# Altium PCB robot.PcbDoc (part 12 of 13)
Units mm, origin at the board's own origin, x right, y up, seen from the top; angles counter-clockwise.
Board outline 97 x 68 mm, 2 copper layers (Top Layer, Bottom Layer); 163 components, 156 nets, 23258 pads, 60 vias.
Unrouted connection lines stored in the file: 298.
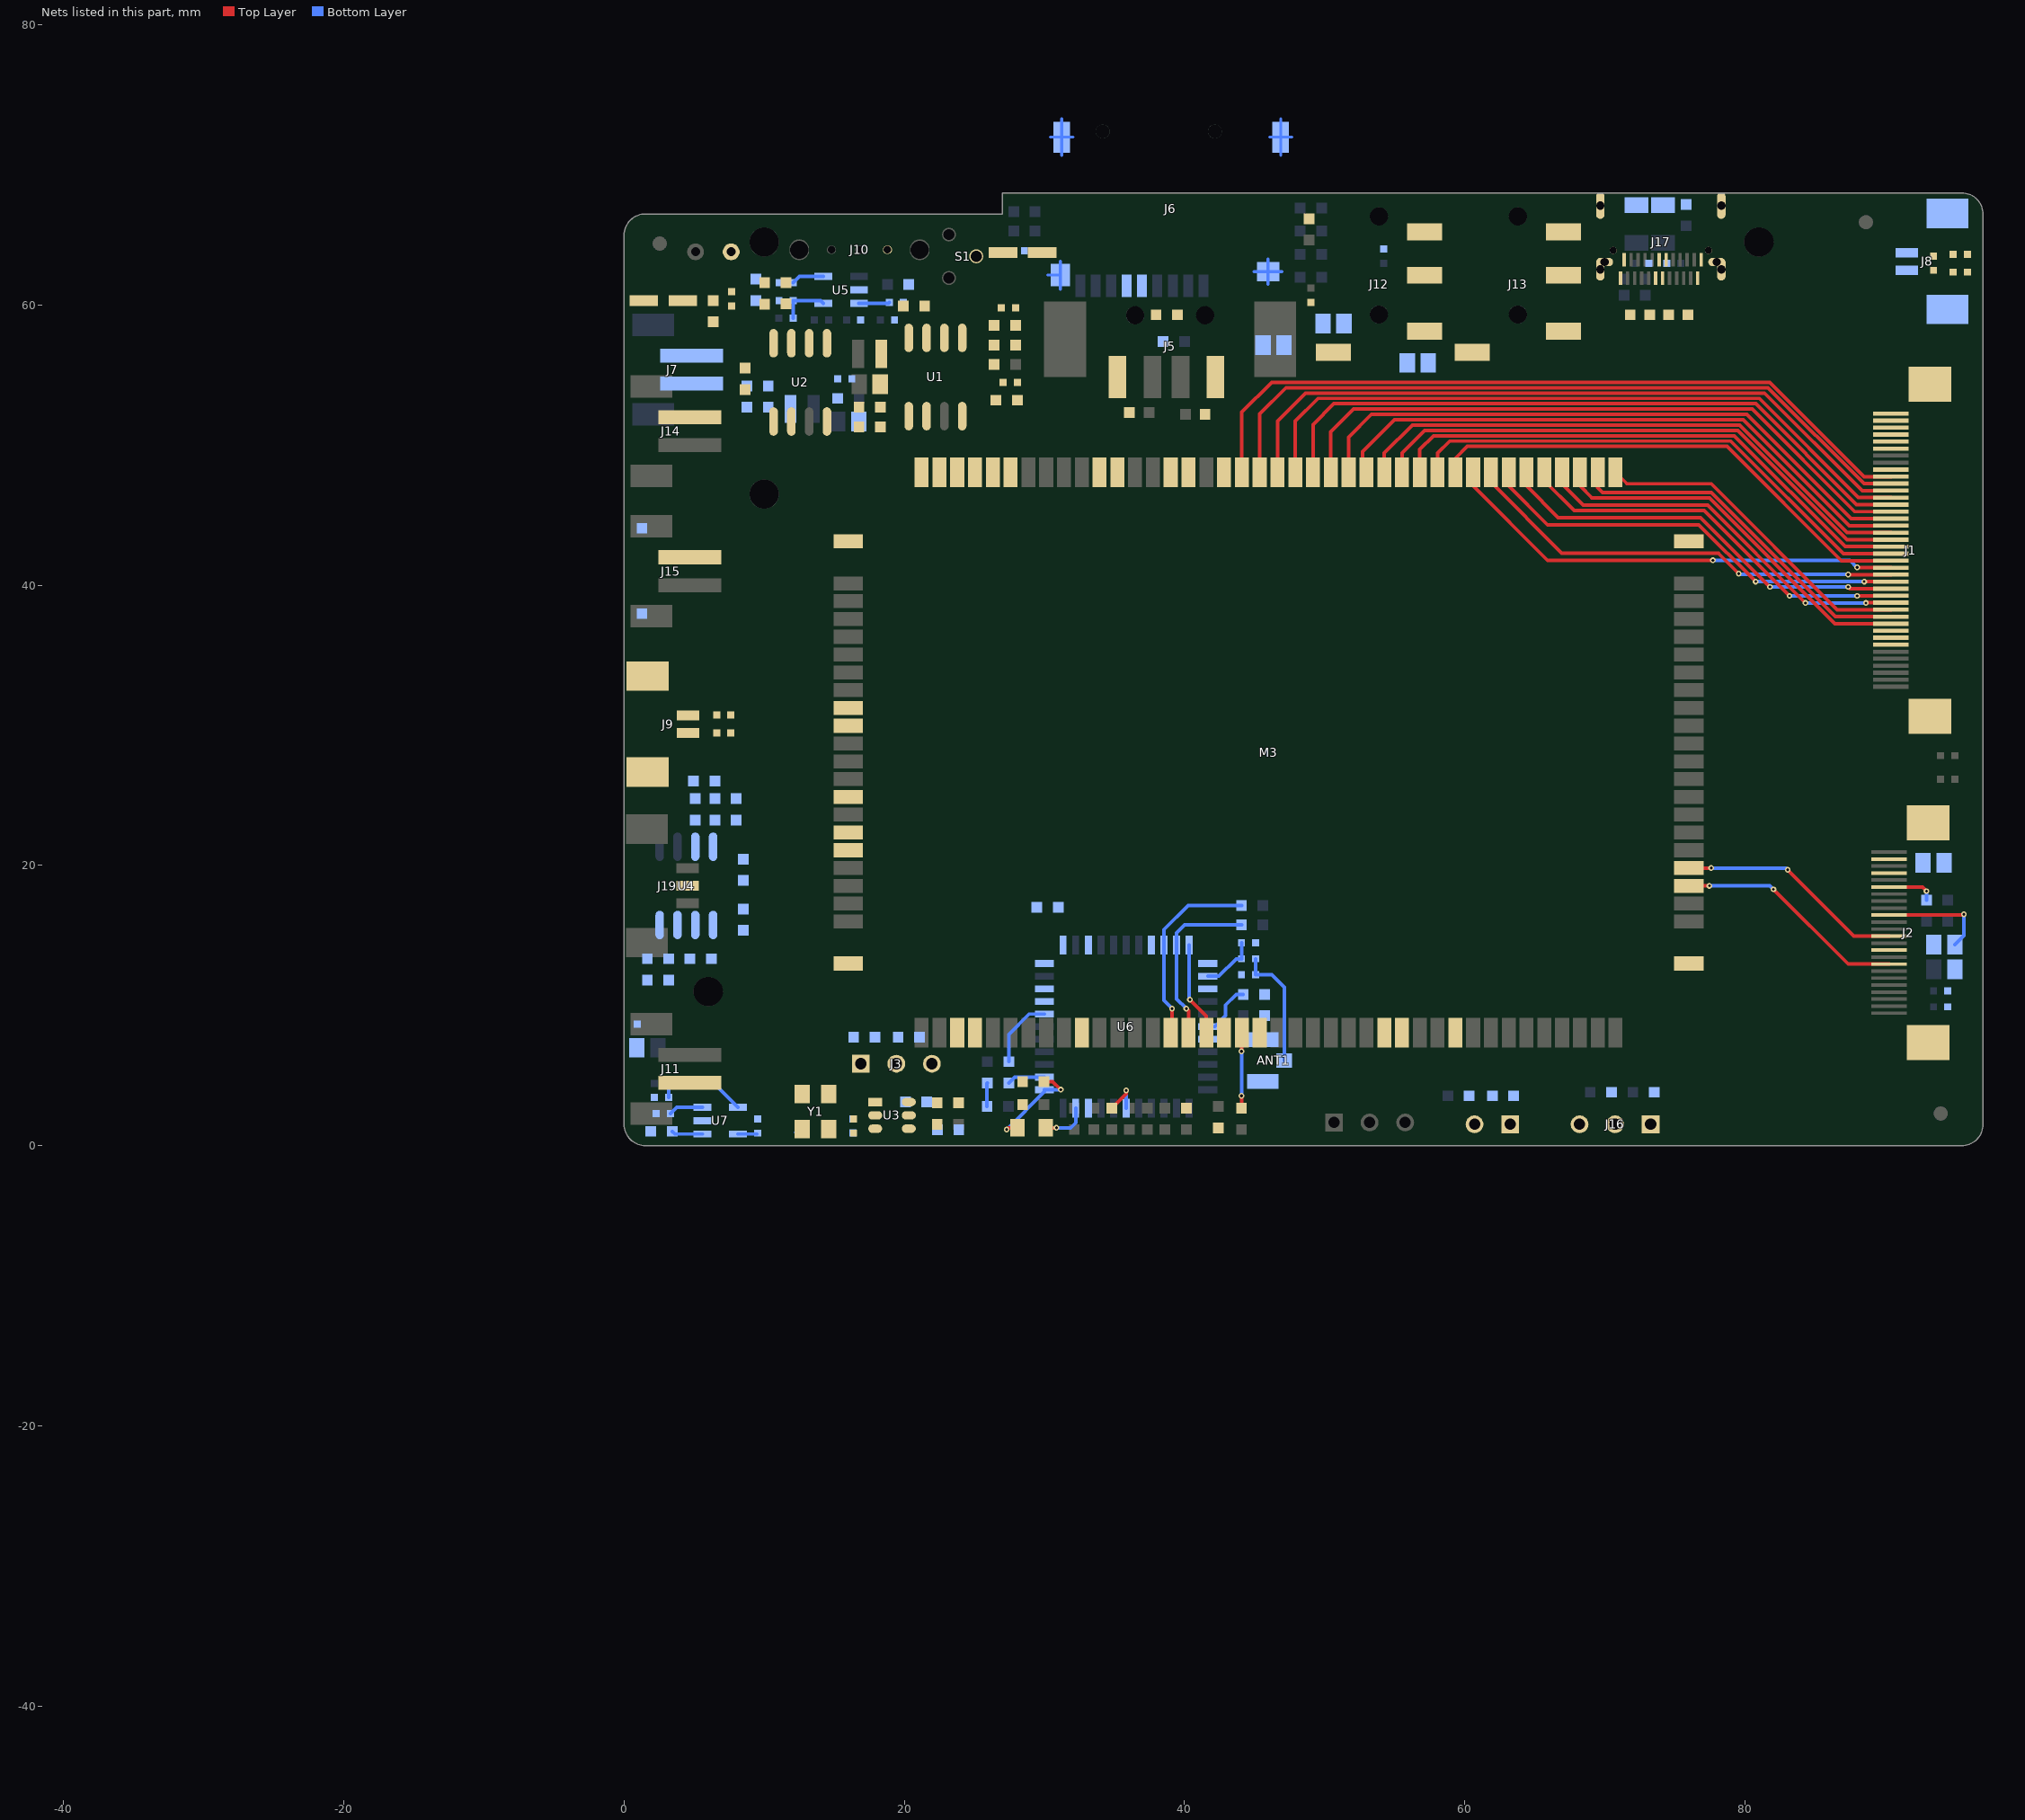
[diagram p12: the nets of this part, all layers, seen from the top]

## Free pads (board coordinates) (continued)
  round 0.001 on Mech2: 1(-39.049,-44.11) 1(-39.049,-44.11) 1(-39.049,-44.11) 1(-39.049,-44.108) 1(-39.049,-44.108) 1(-39.049,-44.108) 1(-39.049,-44.108) 1(-39.049,-44.108) 1(-39.049,-44.108) 1(-39.049,-44.106) 1(-39.049,-44.106) 1(-39.049,-44.106) 1(-39.049,-44.106) 1(-39.049,-44.106) 1(-39.049,-44.106) 1(-39.049,-44.104) 1(-39.049,-44.104) 1(-39.049,-44.104) 1(-39.048,-44.132) 1(-39.048,-44.132) 1(-39.048,-44.132) 1(-39.048,-44.126) 1(-39.048,-44.126) 1(-39.048,-44.126) 1(-39.046,-44.141) 1(-39.046,-44.141) 1(-39.046,-44.141) 1(-39.046,-44.139) 1(-39.046,-44.139) 1(-39.046,-44.139) 1(-39.046,-44.139) 1(-39.046,-44.139) 1(-39.046,-44.139) 1(-39.046,-44.139) 1(-39.046,-44.139) 1(-39.046,-44.139) 1(-39.045,-44.102) 1(-39.045,-44.102) 1(-39.045,-44.102) 1(-39.044,-44.111) 1(-39.044,-44.111) 1(-39.044,-44.111) 1(-39.044,-44.102) 1(-39.044,-44.102) 1(-39.044,-44.102) 1(-39.044,-44.122) 1(-39.044,-44.122) 1(-39.044,-44.122) 1(-39.044,-44.119) 1(-39.044,-44.119) 1(-39.044,-44.119) 1(-39.044,-44.116) 1(-39.044,-44.116) 1(-39.044,-44.116) 1(-39.044,-44.114) 1(-39.044,-44.114) 1(-39.044,-44.114) 1(-39.044,-44.111) 1(-39.044,-44.111) 1(-39.044,-44.111) 1(-39.044,-44.111) 1(-39.044,-44.111) 1(-39.044,-44.111) 1(-39.043,-44.112) 1(-39.043,-44.112) 1(-39.043,-44.112) 1(-39.043,-44.097) 1(-39.043,-44.097) 1(-39.043,-44.097) 1(-39.043,-44.102) 1(-39.043,-44.102) 1(-39.043,-44.102) 1(-39.043,-44.111) 1(-39.043,-44.111) 1(-39.043,-44.111) 1(-39.042,-44.124) 1(-39.042,-44.124) 1(-39.042,-44.124) 1(-39.042,-44.124) 1(-39.042,-44.124) 1(-39.042,-44.124) 1(-39.042,-44.124) 1(-39.042,-44.124) 1(-39.042,-44.124) 1(-39.042,-44.102) 1(-39.042,-44.102) 1(-39.042,-44.102) 1(-39.042,-44.102) 1(-39.042,-44.102) 1(-39.042,-44.102) 1(-39.042,-44.095) 1(-39.042,-44.095) 1(-39.042,-44.095) 1(-39.042,-44.096) 1(-39.042,-44.096) 1(-39.042,-44.096) 1(-39.042,-44.096) 1(-39.042,-44.096) 1(-39.042,-44.096) 1(-39.042,-44.101) 1(-39.042,-44.101) 1(-39.042,-44.101) 1(-39.042,-44.101) 1(-39.042,-44.101) 1(-39.042,-44.101) 1(-39.042,-44.125) 1(-39.042,-44.125) 1(-39.042,-44.125) 1(-39.041,-44.14) 1(-39.041,-44.14) 1(-39.041,-44.14) 1(-39.041,-44.097) 1(-39.041,-44.097) 1(-39.041,-44.097) 1(-39.041,-44.097) 1(-39.041,-44.097) 1(-39.041,-44.097) 1(-39.041,-44.133) 1(-39.041,-44.133) 1(-39.041,-44.133) 1(-39.041,-44.132) 1(-39.041,-44.132) 1(-39.041,-44.132) 1(-39.041,-44.104) 1(-39.041,-44.104) 1(-39.041,-44.104) 1(-39.041,-44.102) 1(-39.041,-44.102) 1(-39.041,-44.102) 1(-39.041,-44.101) 1(-39.041,-44.101) 1(-39.041,-44.101) 1(-39.041,-44.101) 1(-39.041,-44.101) 1(-39.041,-44.101) 1(-39.041,-44.098) 1(-39.041,-44.098) 1(-39.041,-44.098) 1(-39.041,-44.097) 1(-39.041,-44.097) 1(-39.041,-44.097) 1(-39.041,-44.097) 1(-39.041,-44.097) 1(-39.041,-44.097) 1(-39.041,-44.097) 1(-39.041,-44.097) 1(-39.041,-44.097) 1(-39.041,-44.097) 1(-39.041,-44.097) 1(-39.041,-44.097) 1(-39.04,-44.096) 1(-39.04,-44.096) 1(-39.04,-44.096) 1(-39.04,-44.14) 1(-39.04,-44.14) 1(-39.04,-44.14) 1(-39.04,-44.105) 1(-39.04,-44.105) 1(-39.04,-44.105) 1(-39.04,-44.103) 1(-39.04,-44.103) 1(-39.04,-44.103) 1(-39.04,-44.103) 1(-39.04,-44.103) 1(-39.04,-44.103) 1(-39.04,-44.133) 1(-39.04,-44.133) 1(-39.04,-44.133) 1(-39.04,-44.132) 1(-39.04,-44.132) 1(-39.04,-44.132) 1(-39.04,-44.104) 1(-39.04,-44.104) 1(-39.04,-44.104) 1(-39.04,-44.103) 1(-39.04,-44.103) 1(-39.04,-44.103) 1(-39.04,-44.102) 1(-39.04,-44.102) 1(-39.04,-44.102) 1(-39.04,-44.099) 1(-39.04,-44.099) 1(-39.04,-44.099) 1(-39.04,-44.099) 1(-39.04,-44.099) 1(-39.04,-44.099) 1(-39.04,-44.098) 1(-39.04,-44.098) 1(-39.04,-44.098) 1(-39.04,-44.097) 1(-39.04,-44.097) 1(-39.04,-44.097) 1(-39.04,-44.097) 1(-39.04,-44.097) 1(-39.04,-44.097) 1(-39.04,-44.097) 1(-39.04,-44.097) 1(-39.04,-44.097) 1(-39.039,-44.096) 1(-39.039,-44.096) 1(-39.039,-44.096) 1(-39.039,-44.118) 1(-39.039,-44.118) 1(-39.039,-44.118) 1(-39.039,-44.116) 1(-39.039,-44.116) 1(-39.039,-44.116) 1(-39.039,-44.125) 1(-39.039,-44.125) 1(-39.039,-44.125) 1(-39.039,-44.125) 1(-39.039,-44.125) 1(-39.039,-44.125) 1(-39.039,-44.125) 1(-39.039,-44.125) 1(-39.039,-44.125) 1(-39.039,-44.114) 1(-39.039,-44.114) 1(-39.039,-44.114) 1(-39.038,-44.112) 1(-39.038,-44.112) 1(-39.038,-44.112) 1(-39.038,-44.112) 1(-39.038,-44.112) 1(-39.038,-44.112) 1(-39.038,-44.14) 1(-39.038,-44.14) 1(-39.038,-44.14) 1(-39.038,-44.112) 1(-39.038,-44.112) 1(-39.038,-44.112) 1(-39.038,-44.104) 1(-39.038,-44.104) 1(-39.038,-44.104) 1(-39.038,-44.104) 1(-39.038,-44.104) 1(-39.038,-44.104) 1(-39.038,-44.104) 1(-39.038,-44.104) 1(-39.038,-44.104) 1(-39.038,-44.103) 1(-39.038,-44.103) 1(-39.038,-44.103) 1(-39.038,-44.102) 1(-39.038,-44.102) 1(-39.038,-44.102) 1(-39.038,-44.098) 1(-39.038,-44.098) 1(-39.038,-44.098) 1(-39.038,-44.097) 1(-39.038,-44.097) 1(-39.038,-44.097) 1(-39.038,-44.097) 1(-39.038,-44.097) 1(-39.038,-44.097) 1(-39.038,-44.096) 1(-39.038,-44.096) 1(-39.038,-44.096) 1(-39.038,-44.096) 1(-39.038,-44.096) 1(-39.038,-44.096) 1(-39.038,-44.113) 1(-39.038,-44.113) 1(-39.038,-44.113) 1(-39.038,-44.118) 1(-39.038,-44.118) 1(-39.038,-44.118) 1(-39.038,-44.118) 1(-39.038,-44.118) 1(-39.038,-44.118) 1(-39.038,-44.105) 1(-39.038,-44.105) 1(-39.038,-44.105) 1(-39.038,-44.105) 1(-39.038,-44.105) 1(-39.038,-44.105) 1(-39.038,-44.105) 1(-39.038,-44.105) 1(-39.038,-44.105) 1(-39.038,-44.109) 1(-39.038,-44.109) 1(-39.038,-44.109) 1(-39.038,-44.109) 1(-39.038,-44.109) 1(-39.038,-44.109) 1(-39.038,-44.109) 1(-39.038,-44.109) 1(-39.038,-44.109) 1(-39.038,-44.125) 1(-39.038,-44.125) 1(-39.038,-44.125) 1(-39.038,-44.125) 1(-39.038,-44.125) 1(-39.038,-44.125) 1(-39.038,-44.14) 1(-39.038,-44.14) 1(-39.038,-44.14) 1(-39.038,-44.14) 1(-39.038,-44.14) 1(-39.038,-44.14) 1(-39.038,-44.114) 1(-39.038,-44.114) 1(-39.038,-44.114) 1(-39.038,-44.116) 1(-39.038,-44.116) 1(-39.038,-44.116) 1(-39.038,-44.116) 1(-39.038,-44.116) 1(-39.038,-44.116) 1(-39.038,-44.096) 1(-39.038,-44.096) 1(-39.038,-44.096) 1(-39.037,-44.113) 1(-39.037,-44.113) 1(-39.037,-44.113) 1(-39.037,-44.14) 1(-39.037,-44.14) 1(-39.037,-44.14) 1(-39.037,-44.104) 1(-39.037,-44.104) 1(-39.037,-44.104) 1(-39.037,-44.103) 1(-39.037,-44.103) 1(-39.037,-44.103) 1(-39.037,-44.103) 1(-39.037,-44.103) 1(-39.037,-44.103) 1(-39.037,-44.102) 1(-39.037,-44.102) 1(-39.037,-44.102) 1(-39.037,-44.101) 1(-39.037,-44.101) 1(-39.037,-44.101) 1(-39.037,-44.101) 1(-39.037,-44.101) 1(-39.037,-44.101) 1(-39.037,-44.098) 1(-39.037,-44.098) 1(-39.037,-44.098) 1(-39.037,-44.097) 1(-39.037,-44.097) 1(-39.037,-44.097) 1(-39.037,-44.097) 1(-39.037,-44.097) 1(-39.037,-44.097) 1(-39.037,-44.096) 1(-39.037,-44.096) 1(-39.037,-44.096) 1(-39.037,-44.096) 1(-39.037,-44.096) 1(-39.037,-44.096) 1(-39.037,-44.104) 1(-39.037,-44.104) 1(-39.037,-44.104) 1(-39.037,-44.104) 1(-39.037,-44.104) 1(-39.037,-44.104) 1(-39.037,-44.118) 1(-39.037,-44.118) 1(-39.037,-44.118) 1(-39.037,-44.118) 1(-39.037,-44.118) 1(-39.037,-44.118) 1(-39.037,-44.117) 1(-39.037,-44.117) 1(-39.037,-44.117) 1(-39.037,-44.118) 1(-39.037,-44.118) 1(-39.037,-44.118) 1(-39.037,-44.118) 1(-39.037,-44.118) 1(-39.037,-44.118) 1(-39.037,-44.109) 1(-39.037,-44.109) 1(-39.037,-44.109) 1(-39.037,-44.109) 1(-39.037,-44.109) 1(-39.037,-44.109) 1(-39.036,-44.125) 1(-39.036,-44.125) 1(-39.036,-44.125) 1(-39.036,-44.109) 1(-39.036,-44.109) 1(-39.036,-44.109) 1(-39.036,-44.109) 1(-39.036,-44.109) 1(-39.036,-44.109) 1(-39.036,-44.14) 1(-39.036,-44.14) 1(-39.036,-44.14) 1(-39.035,-44.109) 1(-39.035,-44.109) 1(-39.035,-44.109) 1(-39.035,-44.109) 1(-39.035,-44.109) 1(-39.035,-44.109) 1(-39.035,-44.104) 1(-39.035,-44.104) 1(-39.035,-44.104) 1(-39.035,-44.104) 1(-39.035,-44.104) 1(-39.035,-44.104) 1(-39.035,-44.101) 1(-39.035,-44.101) 1(-39.035,-44.101) 1(-39.035,-44.101) 1(-39.035,-44.101) 1(-39.035,-44.101) 1(-39.035,-44.118) 1(-39.035,-44.118) 1(-39.035,-44.118) 1(-39.035,-44.118) 1(-39.035,-44.118) 1(-39.035,-44.118) 1(-39.035,-44.117) 1(-39.035,-44.117) 1(-39.035,-44.117) 1(-39.035,-44.106) 1(-39.035,-44.106) 1(-39.035,-44.106) 1(-39.035,-44.106) 1(-39.035,-44.106) 1(-39.035,-44.106) 1(-39.035,-44.105) 1(-39.035,-44.105) 1(-39.035,-44.105) 1(-39.035,-44.105) 1(-39.035,-44.105) 1(-39.035,-44.105) 1(-39.035,-44.104) 1(-39.035,-44.104) 1(-39.035,-44.104) 1(-39.035,-44.104) 1(-39.035,-44.104) 1(-39.035,-44.104) 1(-39.035,-44.106) 1(-39.035,-44.106) 1(-39.035,-44.106) 1(-39.035,-44.117) 1(-39.035,-44.117) 1(-39.035,-44.117) 1(-39.035,-44.117) 1(-39.035,-44.117) 1(-39.035,-44.117) 1(-39.035,-44.14) 1(-39.035,-44.14) 1(-39.035,-44.14) 1(-39.034,-44.106) 1(-39.034,-44.106) 1(-39.034,-44.106) 1(-39.034,-44.118) 1(-39.034,-44.118) 1(-39.034,-44.118) 1(-39.034,-44.117) 1(-39.034,-44.117) 1(-39.034,-44.117) 1(-39.034,-44.106) 1(-39.034,-44.106) 1(-39.034,-44.106) 1(-39.034,-44.106) 1(-39.034,-44.106) 1(-39.034,-44.106) 1(-39.034,-44.105) 1(-39.034,-44.105) 1(-39.034,-44.105) 1(-39.033,-44.112) 1(-39.033,-44.112) 1(-39.033,-44.112) 1(-39.033,-44.112) 1(-39.033,-44.112) 1(-39.033,-44.112) 1(-39.032,-44.117) 1(-39.032,-44.117) 1(-39.032,-44.117) 1(-39.032,-44.116) 1(-39.032,-44.116) 1(-39.032,-44.116) 1(-39.031,-44.148) 1(-39.031,-44.148) 1(-39.031,-44.148) 1(-39.031,-44.143) 1(-39.031,-44.143) 1(-39.031,-44.143) 1(-39.028,-44.135) 1(-39.028,-44.135) 1(-39.028,-44.135) 1(-39.028,-44.138) 1(-39.028,-44.138) 1(-39.028,-44.138) 1(-39.028,-44.137) 1(-39.028,-44.137) 1(-39.028,-44.137) 1(-39.028,-44.133) 1(-39.028,-44.133) 1(-39.028,-44.133) 1(-39.028,-44.132) 1(-39.028,-44.132) 1(-39.028,-44.132) 1(-39.028,-44.112) 1(-39.028,-44.112) 1(-39.028,-44.112) 1(-39.028,-44.112) 1(-39.028,-44.112) 1(-39.028,-44.112) 1(-39.027,-44.14) 1(-39.027,-44.14) 1(-39.027,-44.14) 1(-39.027,-44.14) 1(-39.027,-44.14) 1(-39.027,-44.14) 1(-39.027,-44.14) 1(-39.027,-44.14) 1(-39.027,-44.14) 1(-39.027,-44.14) 1(-39.027,-44.14) 1(-39.027,-44.14) 1(-39.027,-44.135) 1(-39.027,-44.135) 1(-39.027,-44.135) 1(-39.027,-44.135) 1(-39.027,-44.135) 1(-39.027,-44.135) 1(-39.027,-44.135) 1(-39.027,-44.135) 1(-39.027,-44.135) 1(-39.027,-44.135) 1(-39.027,-44.135) 1(-39.027,-44.135) 1(-39.027,-44.134) 1(-39.027,-44.134) 1(-39.027,-44.134) 1(-39.025,-44.147) 1(-39.025,-44.147) 1(-39.025,-44.147) 1(-39.025,-44.147) 1(-39.025,-44.147) 1(-39.025,-44.147) 1(-39.025,-44.146) 1(-39.025,-44.146) 1(-39.025,-44.146) 1(-39.025,-44.148) 1(-39.025,-44.148) 1(-39.025,-44.148) 1(-39.025,-44.148) 1(-39.025,-44.148) 1(-39.025,-44.148) 1(-39.025,-44.109) 1(-39.025,-44.109) 1(-39.025,-44.109) 1(-39.025,-44.109) 1(-39.025,-44.109) 1(-39.025,-44.109) 1(-39.025,-44.109) 1(-39.025,-44.109) 1(-39.025,-44.109) 1(-39.024,-44.148) 1(-39.024,-44.148) 1(-39.024,-44.148) 1(-39.024,-44.148) 1(-39.024,-44.148) 1(-39.024,-44.148) 1(-39.024,-44.148) 1(-39.024,-44.148) 1(-39.024,-44.148) 1(-39.023,-44.148) 1(-39.023,-44.148) 1(-39.023,-44.148) 1(-39.023,-44.148) 1(-39.023,-44.148) 1(-39.023,-44.148) 1(-39.023,-44.146) 1(-39.023,-44.146) 1(-39.023,-44.146) 1(-39.022,-44.148) 1(-39.022,-44.148) 1(-39.022,-44.148) 1(-39.022,-44.148) 1(-39.022,-44.148) 1(-39.022,-44.148) 1(-39.022,-44.148) 1(-39.022,-44.148) 1(-39.022,-44.148) 1(-39.021,-44.148) 1(-39.021,-44.148) 1(-39.021,-44.148) 1(-39.021,-44.148) 1(-39.021,-44.148) 1(-39.021,-44.148) 1(-39.021,-44.146) 1(-39.021,-44.146) 1(-39.021,-44.146) 1(-39.02,-44.148) 1(-39.02,-44.148) 1(-39.02,-44.148) 1(-39.02,-44.148) 1(-39.02,-44.148) 1(-39.02,-44.148) 1(-39.019,-44.147) 1(-39.019,-44.147) 1(-39.019,-44.147) 1(-39.019,-44.147) 1(-39.019,-44.147) 1(-39.019,-44.147) 1(-39.019,-44.146) 1(-39.019,-44.146) 1(-39.019,-44.146) 1(-39.019,-44.132) 1(-39.019,-44.132) 1(-39.019,-44.132) 1(-39.019,-44.132) 1(-39.019,-44.132) 1(-39.019,-44.132) 1(-39.019,-44.132) 1(-39.019,-44.132) 1(-39.019,-44.132) 1(-39.019,-44.132) 1(-39.019,-44.132) 1(-39.019,-44.132) 1(-39.016,-44.143) 1(-39.016,-44.143) 1(-39.016,-44.143) 1(-39.015,-44.148) 1(-39.015,-44.148) 1(-39.015,-44.148) 1(-39.015,-44.148) 1(-39.015,-44.148) 1(-39.015,-44.148) 1(-39.015,-44.148) 1(-39.015,-44.148) 1(-39.015,-44.148) 1(-39.015,-44.145) 1(-39.015,-44.145) 1(-39.015,-44.145) 1(-39.015,-44.143) 1(-39.015,-44.143) 1(-39.015,-44.143) 1(-39.015,-44.148) 1(-39.015,-44.148) 1(-39.015,-44.148) 1(-39.015,-44.148) 1(-39.015,-44.148) 1(-39.015,-44.148) 1(-39.015,-44.148) 1(-39.015,-44.148) 1(-39.015,-44.148) 1(-39.014,-44.14) 1(-39.014,-44.14) 1(-39.014,-44.14) 1(-39.014,-44.139) 1(-39.014,-44.139) 1(-39.014,-44.139) 1(-39.014,-44.139) 1(-39.014,-44.139) 1(-39.014,-44.139) 1(-39.014,-44.136) 1(-39.014,-44.136) 1(-39.014,-44.136) 1(-39.014,-44.136) 1(-39.014,-44.136) 1(-39.014,-44.136) 1(-39.014,-44.135) 1(-39.014,-44.135) 1(-39.014,-44.135) 1(-39.013,-44.139) 1(-39.013,-44.139) 1(-39.013,-44.139) 1(-39.013,-44.139) 1(-39.013,-44.139) 1(-39.013,-44.139) 1(-39.013,-44.136) 1(-39.013,-44.136) 1(-39.013,-44.136) 1(-39.013,-44.136) 1(-39.013,-44.136) 1(-39.013,-44.136) 1(-39.013,-44.139) 1(-39.013,-44.139) 1(-39.013,-44.139) 1(-39.013,-44.136) 1(-39.013,-44.136) 1(-39.013,-44.136) 1(-39.013,-44.136) 1(-39.013,-44.136) 1(-39.013,-44.136) 1(-39.013,-44.135) 1(-39.013,-44.135) 1(-39.013,-44.135) 1(-39.011,-44.144) 1(-39.011,-44.144) 1(-39.011,-44.144) 1(-39.01,-44.146) 1(-39.01,-44.146) 1(-39.01,-44.146) 1(-39.01,-44.145) 1(-39.01,-44.145) 1(-39.01,-44.145) 1(-39.01,-44.145) 1(-39.01,-44.145) 1(-39.01,-44.145) 1(-39.009,-44.148) 1(-39.009,-44.148) 1(-39.009,-44.148) 1(-39.009,-44.148) 1(-39.009,-44.148) 1(-39.009,-44.148) 1(-39.008,-44.147) 1(-39.008,-44.147) 1(-39.008,-44.147) 1(-39.008,-44.147) 1(-39.008,-44.147) 1(-39.008,-44.147) 1(-39.008,-44.146) 1(-39.008,-44.146) 1(-39.008,-44.146) 1(-39.004,-44.128) 1(-39.004,-44.128) 1(-39.004,-44.128) 1(-39.004,-44.128) 1(-39.004,-44.128) 1(-39.004,-44.128) 1(-39.004,-44.125) 1(-39.004,-44.125) 1(-39.004,-44.125) 1(-39.004,-44.137) 1(-39.004,-44.137) 1(-39.004,-44.137) 1(-39.004,-44.134) 1(-39.004,-44.134) 1(-39.004,-44.134) 1(-39.004,-44.134) 1(-39.004,-44.134) 1(-39.004,-44.134) 1(-39.004,-44.134) 1(-39.004,-44.134) 1(-39.004,-44.134) 1(-39.003,-44.128) 1(-39.003,-44.128) 1(-39.003,-44.128) 1(-39.003,-44.128) 1(-39.003,-44.128) 1(-39.003,-44.128) 1(-39.002,-44.128) 1(-39.002,-44.128) 1(-39.002,-44.128) 1(-39.002,-44.128) 1(-39.002,-44.128) 1(-39.002,-44.128) 1(-39,-44.133) 1(-39,-44.133) 1(-39,-44.133) 1(-39,-44.137) 1(-39,-44.137) 1(-39,-44.137) 1(-39,-44.137) 1(-39,-44.137) 1(-39,-44.137) 1(-39,-44.14) 1(-39,-44.14) 1(-39,-44.14) 1(-39,-44.139) 1(-39,-44.139) 1(-39,-44.139) 1(-39,-44.139) 1(-39,-44.139) 1(-39,-44.139) 1(-39,-44.139) 1(-39,-44.139) 1(-39,-44.139) 1(-39,-44.139) 1(-39,-44.139) 1(-39,-44.139) 1(-39,-44.137) 1(-39,-44.137) 1(-39,-44.137) 1(-39,-44.137) 1(-39,-44.137) 1(-39,-44.137) 1(-39,-44.137) 1(-39,-44.137) 1(-39,-44.137) 1(-39,-44.137) 1(-39,-44.137) 1(-39,-44.137) 1(-39,-44.134) 1(-39,-44.134) 1(-39,-44.134) 1(-39,-44.134) 1(-39,-44.134) 1(-39,-44.134) 1(-39,-44.134) 1(-39,-44.134) 1(-39,-44.134) 1(-39,-44.134) 1(-39,-44.134) 1(-39,-44.134) 1(-39,-44.133) 1(-39,-44.133) 1(-39,-44.133) 1(-39,-44.133) 1(-39,-44.133) 1(-39,-44.133) 1(-38.999,-44.104) 1(-38.999,-44.104) 1(-38.999,-44.104) 1(-38.998,-44.127) 1(-38.998,-44.127) 1(-38.998,-44.127) 1(-38.998,-44.127) 1(-38.998,-44.127) 1(-38.998,-44.127) 1(-38.998,-44.127) 1(-38.998,-44.127) 1(-38.998,-44.127) 1(-38.997,-44.104) 1(-38.997,-44.104) 1(-38.997,-44.104) 1(-38.997,-44.128) 1(-38.997,-44.128) 1(-38.997,-44.128) 1(-38.997,-44.128) 1(-38.997,-44.128) 1(-38.997,-44.128) 1(-38.997,-44.131) 1(-38.997,-44.131) 1(-38.997,-44.131) 1(-38.997,-44.131) 1(-38.997,-44.131) 1(-38.997,-44.131) 1(-38.997,-44.128) 1(-38.997,-44.128) 1(-38.997,-44.128) 1(-38.997,-44.128) 1(-38.997,-44.128) 1(-38.997,-44.128) 1(-38.996,-44.132) 1(-38.996,-44.132) 1(-38.996,-44.132) 1(-38.996,-44.132) 1(-38.996,-44.132) 1(-38.996,-44.132) 1(-38.996,-44.131) 1(-38.996,-44.131) 1(-38.996,-44.131) 1(-38.996,-44.131) 1(-38.996,-44.131) 1(-38.996,-44.131) 1(-38.996,-44.145) 1(-38.996,-44.145) 1(-38.996,-44.145) 1(-38.996,-44.145) 1(-38.996,-44.145) 1(-38.996,-44.145) 1(-38.996,-44.143) 1(-38.996,-44.143) 1(-38.996,-44.143) 1(-38.996,-44.146) 1(-38.996,-44.146) 1(-38.996,-44.146) 1(-38.996,-44.146) 1(-38.996,-44.146) 1(-38.996,-44.146) 1(-38.996,-44.127) 1(-38.996,-44.127) 1(-38.996,-44.127) 1(-38.995,-44.146) 1(-38.995,-44.146) 1(-38.995,-44.146) 1(-38.995,-44.132) 1(-38.995,-44.132) 1(-38.995,-44.132) 1(-38.995,-44.132) 1(-38.995,-44.132) 1(-38.995,-44.132) 1(-38.995,-44.146) 1(-38.995,-44.146) 1(-38.995,-44.146) 1(-38.995,-44.144) 1(-38.995,-44.144) 1(-38.995,-44.144) 1(-38.994,-44.132) 1(-38.994,-44.132) 1(-38.994,-44.132) 1(-38.994,-44.132) 1(-38.994,-44.132) 1(-38.994,-44.132) 1(-38.993,-44.146) 1(-38.993,-44.146) 1(-38.993,-44.146) 1(-38.993,-44.144) 1(-38.993,-44.144) 1(-38.993,-44.144) 1(-38.993,-44.144) 1(-38.993,-44.144) 1(-38.993,-44.144) 1(-38.993,-44.144) 1(-38.993,-44.144) 1(-38.993,-44.144) 1(-38.993,-44.144) 1(-38.993,-44.144) 1(-38.993,-44.144) 1(-38.993,-44.142) 1(-38.993,-44.142) 1(-38.993,-44.142) 1(-38.993,-44.142) 1(-38.993,-44.142) 1(-38.993,-44.142) 1(-38.993,-44.133) 1(-38.993,-44.133) 1(-38.993,-44.133) 1(-38.993,-44.133) 1(-38.993,-44.133) 1(-38.993,-44.133) 1(-38.993,-44.127) 1(-38.993,-44.127) 1(-38.993,-44.127) 1(-38.991,-44.127) 1(-38.991,-44.127) 1(-38.991,-44.127) 1(-38.991,-44.127) 1(-38.991,-44.127) 1(-38.991,-44.127) 1(-38.99,-44.125) 1(-38.99,-44.125) 1(-38.99,-44.125) 1(-38.99,-44.125) 1(-38.99,-44.125) 1(-38.99,-44.125) 1(-38.99,-44.13) 1(-38.99,-44.13) 1(-38.99,-44.13) 1(-38.99,-44.128) 1(-38.99,-44.128) 1(-38.99,-44.128) 1(-38.99,-44.128) 1(-38.99,-44.128) 1(-38.99,-44.128) 1(-38.99,-44.127) 1(-38.99,-44.127) 1(-38.99,-44.127) 1(-38.99,-44.127) 1(-38.99,-44.127) 1(-38.99,-44.127) 1(-38.99,-44.128) 1(-38.99,-44.128) 1(-38.99,-44.128) 1(-38.99,-44.127) 1(-38.99,-44.127) 1(-38.99,-44.127) 1(-38.989,-44.125) 1(-38.989,-44.125) 1(-38.989,-44.125) 1(-38.989,-44.125) 1(-38.989,-44.125) 1(-38.989,-44.125) 1(-38.989,-44.123) 1(-38.989,-44.123) 1(-38.989,-44.123) 1(-38.989,-44.122) 1(-38.989,-44.122) 1(-38.989,-44.122) 1(-38.989,-44.13) 1(-38.989,-44.13) 1(-38.989,-44.13) 1(-38.989,-44.13) 1(-38.989,-44.13) 1(-38.989,-44.13) 1(-38.989,-44.13) 1(-38.989,-44.13) 1(-38.989,-44.13) 1(-38.988,-44.129) 1(-38.988,-44.129) 1(-38.988,-44.129) 1(-38.988,-44.129) 1(-38.988,-44.129) 1(-38.988,-44.129) 1(-38.988,-44.128) 1(-38.988,-44.128) 1(-38.988,-44.128) 1(-38.988,-44.146) 1(-38.988,-44.146) 1(-38.988,-44.146) 1(-38.988,-44.125) 1(-38.988,-44.125) 1(-38.988,-44.125) 1(-38.988,-44.125) 1(-38.988,-44.125) 1(-38.988,-44.125) 1(-38.988,-44.123) 1(-38.988,-44.123) 1(-38.988,-44.123) 1(-38.988,-44.122) 1(-38.988,-44.122) 1(-38.988,-44.122) 1(-38.988,-44.132) 1(-38.988,-44.132) 1(-38.988,-44.132) 1(-38.988,-44.132) 1(-38.988,-44.132) 1(-38.988,-44.132) 1(-38.988,-44.13) 1(-38.988,-44.13) 1(-38.988,-44.13) 1(-38.988,-44.132) 1(-38.988,-44.132) 1(-38.988,-44.132) 1(-38.988,-44.132) 1(-38.988,-44.132) 1(-38.988,-44.132) 1(-38.987,-44.146) 1(-38.987,-44.146) 1(-38.987,-44.146) 1(-38.987,-44.146) 1(-38.987,-44.146) 1(-38.987,-44.146) 1(-38.987,-44.128) 1(-38.987,-44.128) 1(-38.987,-44.128) 1(-38.987,-44.128) 1(-38.987,-44.128) 1(-38.987,-44.128) 1(-38.987,-44.128) 1(-38.987,-44.128) 1(-38.987,-44.128) 1(-38.986,-44.132) 1(-38.986,-44.132) 1(-38.986,-44.132) 1(-38.986,-44.132) 1(-38.986,-44.132) 1(-38.986,-44.132) 1(-38.986,-44.132) 1(-38.986,-44.132) 1(-38.986,-44.132) 1(-38.986,-44.132) 1(-38.986,-44.132) 1(-38.986,-44.132) 1(-38.986,-44.13) 1(-38.986,-44.13) 1(-38.986,-44.13) 1(-38.986,-44.128) 1(-38.986,-44.128) 1(-38.986,-44.128) 1(-38.986,-44.128) 1(-38.986,-44.128) 1(-38.986,-44.128) 1(-38.986,-44.146) 1(-38.986,-44.146) 1(-38.986,-44.146) 1(-38.986,-44.146) 1(-38.986,-44.146) 1(-38.986,-44.146) 1(-38.985,-44.095) 1(-38.985,-44.095) 1(-38.985,-44.095) 1(-38.984,-44.128) 1(-38.984,-44.128) 1(-38.984,-44.128) 1(-38.984,-44.128) 1(-38.984,-44.128) 1(-38.984,-44.128) 1(-38.984,-44.146) 1(-38.984,-44.146) 1(-38.984,-44.146) 1(-38.983,-44.095) 1(-38.983,-44.095) 1(-38.983,-44.095) 1(-38.983,-44.147) 1(-38.983,-44.147) 1(-38.983,-44.147) 1(-38.983,-44.144) 1(-38.983,-44.144) 1(-38.983,-44.144) 1(-38.981,-44.14) 1(-38.981,-44.14) 1(-38.981,-44.14) 1(-38.981,-44.139) 1(-38.981,-44.139) 1(-38.981,-44.139) 1(-38.981,-44.139) 1(-38.981,-44.139) 1(-38.981,-44.139) 1(-38.981,-44.131) 1(-38.981,-44.131) 1(-38.981,-44.131) 1(-38.981,-44.131) 1(-38.981,-44.131) 1(-38.981,-44.131) 1(-38.98,-44.101) 1(-38.98,-44.101) 1(-38.98,-44.101) 1(-38.98,-44.101) 1(-38.98,-44.101) 1(-38.98,-44.101) 1(-38.98,-44.1) 1(-38.98,-44.1) 1(-38.98,-44.1) 1(-38.98,-44.101) 1(-38.98,-44.101) 1(-38.98,-44.101)
  round 0.001 on Mech10: 1(-39.048,-44.132) 1(-39.048,-44.132) 1(-39.048,-44.132) 1(-39.048,-44.126) 1(-39.048,-44.126) 1(-39.048,-44.126) 1(-39.044,-44.122) 1(-39.044,-44.122) 1(-39.044,-44.122) 1(-39.044,-44.119) 1(-39.044,-44.119) 1(-39.044,-44.119) 1(-39.044,-44.116) 1(-39.044,-44.116) 1(-39.044,-44.116) 1(-39.044,-44.114) 1(-39.044,-44.114) 1(-39.044,-44.114)